# Altium PCB Copy of PCB1.PcbDoc (part 3 of 3)
Units mm, origin at the board's own origin, x right, y up, seen from the top; angles counter-clockwise.
Board outline 125 x 60 mm, 4 copper layers (Top Copper, Top Ref, Botton Ref, Bottom Copper), stack 1.586 mm thick; 166 components, 87 nets, 450 pads, 496 vias.
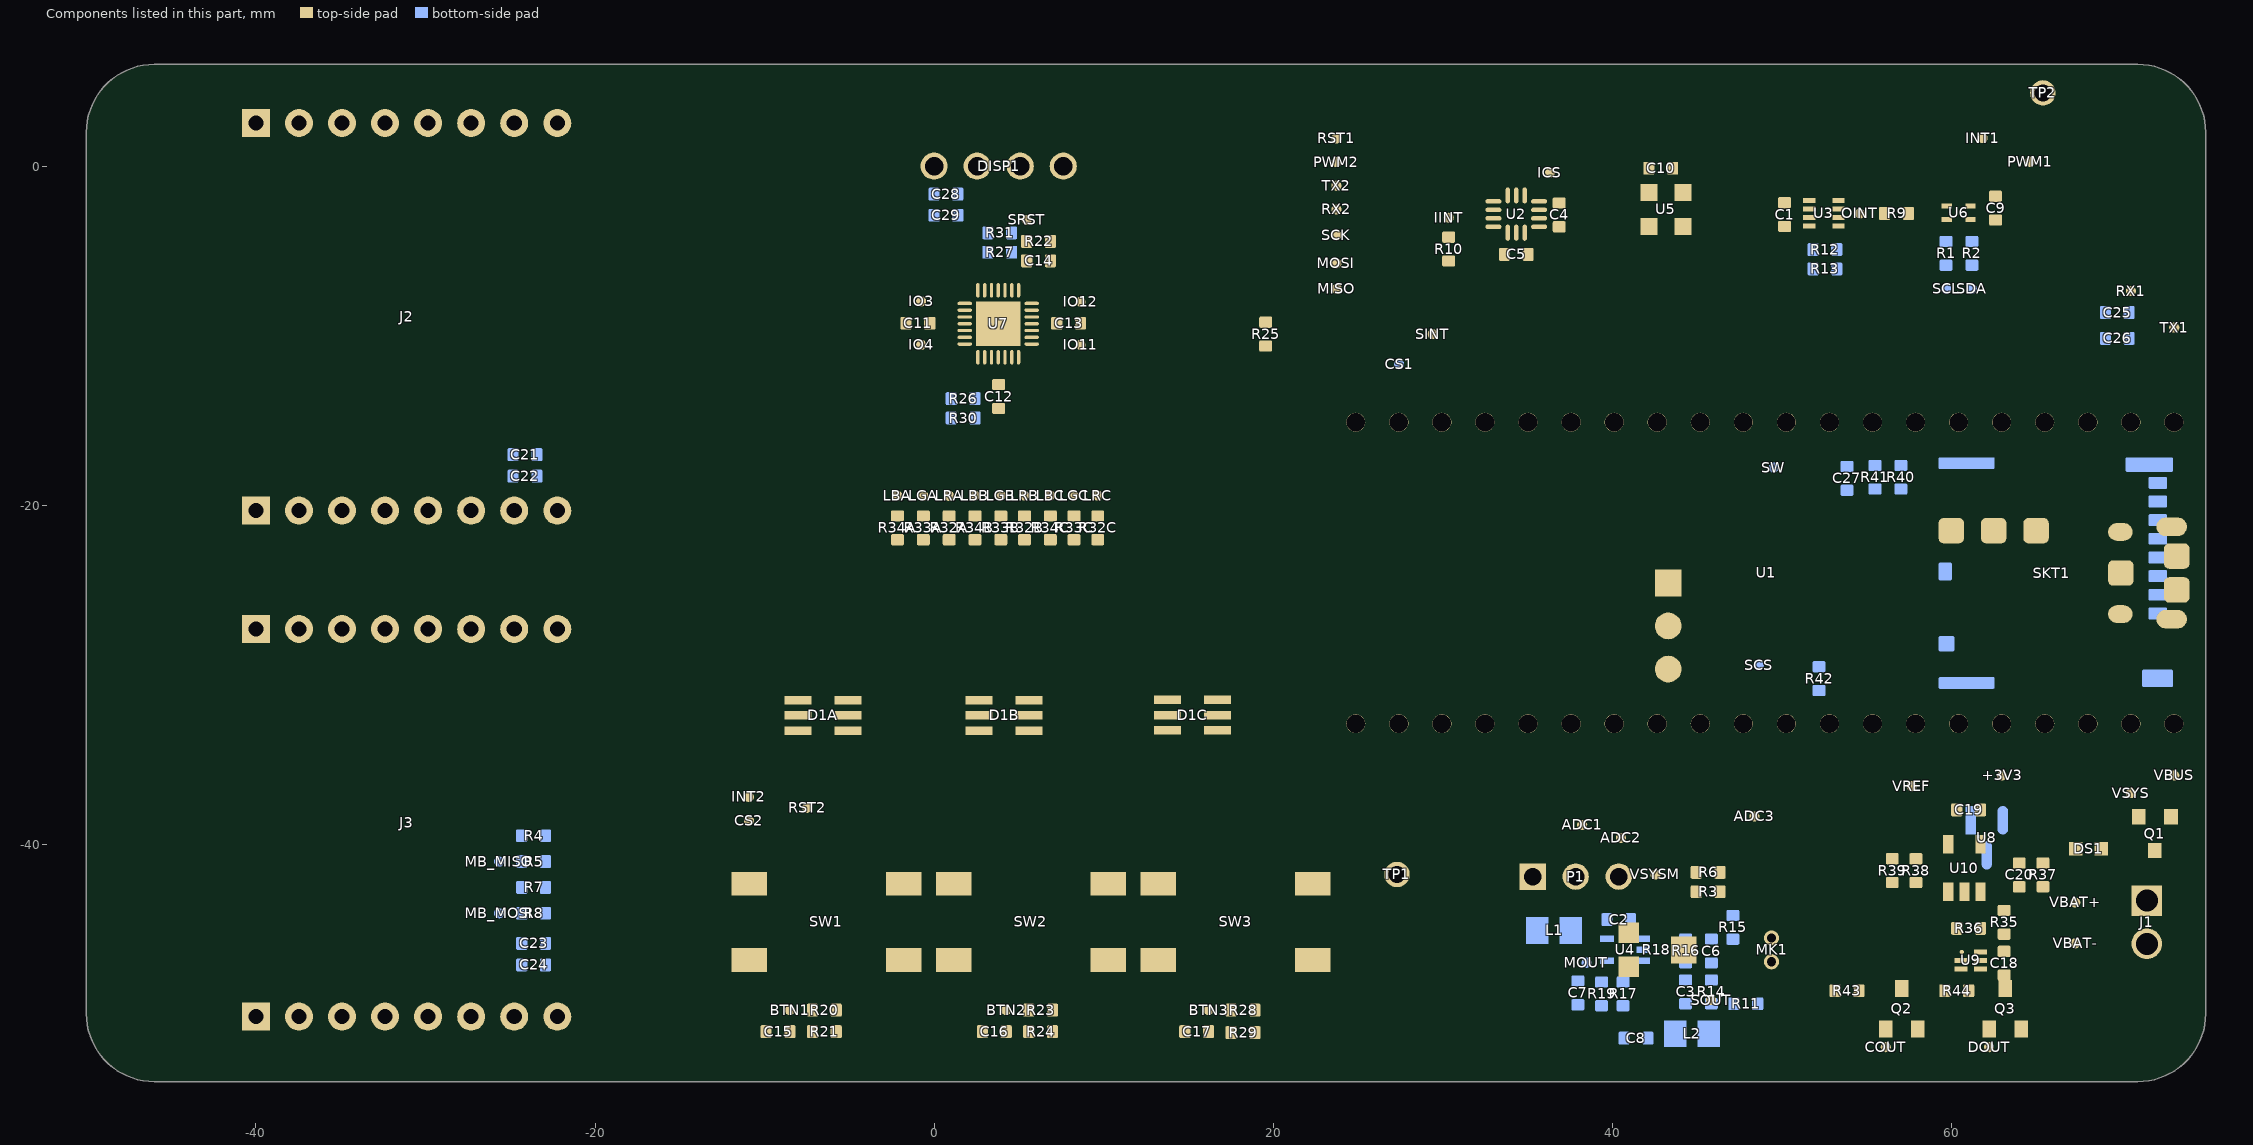
[diagram p5: the components of this part, seen from the top]

## Polygon pours and split planes (outlines as drawn) (continued)
GND on Botton Ref (split plane): 71,5.49 71.229,5.49 71.682,5.43 72.124,5.311 72.547,5.136 72.943,4.908 73.306,4.629 73.629,4.306 73.908,3.943 74.136,3.547 74.311,3.124 74.43,2.682 74.49,2.229 74.49,2 74.49,-49.25 74.49,-50 74.49,-50.229 74.43,-50.682 74.311,-51.124 74.136,-51.547 73.908,-51.943 73.629,-52.306 73.306,-52.629 72.943,-52.908 72.547,-53.136 72.124,-53.311 71.682,-53.43 71.229,-53.49 -46.229,-53.49 -46.682,-53.43 -47.124,-53.311 -47.547,-53.136 -47.943,-52.908 -48.306,-52.629 -48.629,-52.306 -48.908,-51.943 -49.136,-51.547 -49.311,-51.124 -49.43,-50.682 -49.49,-50.229 -49.49,-50 -49.49,2 -49.49,2.229 -49.43,2.682 -49.311,3.124 -49.136,3.547 -48.908,3.943 -48.629,4.306 -48.306,4.629 -47.943,4.908 -47.547,5.136 -47.124,5.311 -46.682,5.43 -46.229,5.49 -46,5.49
GND on Top Ref (split plane): 71,5.49 71.229,5.49 71.682,5.43 72.124,5.311 72.547,5.136 72.943,4.908 73.306,4.629 73.629,4.306 73.908,3.943 74.136,3.547 74.311,3.124 74.43,2.682 74.49,2.229 74.49,2 74.49,-49.25 74.49,-50 74.49,-50.229 74.43,-50.682 74.311,-51.124 74.136,-51.547 73.908,-51.943 73.629,-52.306 73.306,-52.629 72.943,-52.908 72.547,-53.136 72.124,-53.311 71.682,-53.43 71.229,-53.49 -46.229,-53.49 -46.682,-53.43 -47.124,-53.311 -47.547,-53.136 -47.943,-52.908 -48.306,-52.629 -48.629,-52.306 -48.908,-51.943 -49.136,-51.547 -49.311,-51.124 -49.43,-50.682 -49.49,-50.229 -49.49,-50 -49.49,2 -49.49,2.229 -49.43,2.682 -49.311,3.124 -49.136,3.547 -48.908,3.943 -48.629,4.306 -48.306,4.629 -47.943,4.908 -47.547,5.136 -47.124,5.311 -46.682,5.43 -46.229,5.49 -46,5.49

## Other copper
Top Copper:
  pour cut-out: 20.048,-12.022 20.005,-12.065 17.018,-12.065 17.018,-12.573 17.272,-12.827 17.399,-12.7 20.066,-12.7
  pour cut-out: -9.142,3.046 -9.142,3.631 -9.169,3.658 -9.144,3.683 -8.331,3.683 -8.331,3.327 -8.534,3.124
  pour cut-out: 20.726,-35.433 20.726,-35.966 20.853,-36.093 20.879,-36.068 21.463,-36.068 21.561,-35.97 21.561,-35.475
  pour cut-out: -21.468,-37.346 -21.412,-37.401 -21.412,-41.224 -21.184,-41.224 -20.447,-40.488 -20.447,-36.678
  pour cut-out: 24.872,-31.833 27.412,-31.833 27.39,-31.855 27.39,-35.585 25.044,-35.585 24.816,-35.357
  pour cut-out: 9.784,-8.695 9.745,-8.657 8.883,-8.657 8.768,-8.542 8.928,-8.382 9.525,-8.382
  pour cut-out: 23.184,1.59 23.165,1.609 23.165,2.362 23.444,2.362 23.47,2.337
  pour cut-out: 19.863,-7.483 19.288,-7.483 19.38,-7.391 19.38,-7.239 19.812,-7.239 19.941,-7.368
  pour cut-out: 13.434,-20.185 16.863,-20.185 16.863,-18.57 16.713,-18.72 13.335,-18.796
  pour cut-out: 52.435,-12.624 40.638,-12.624 40.437,-12.423 40.437,-11.557 52.502,-11.557 52.527,-11.582
  pour cut-out: 70.409,-38.79 70.38,-38.76 69.19,-38.76 69.19,-38.278 69.193,-38.282 69.937,-38.282
  pour cut-out: 65.108,-40.521 64.31,-40.521 64.649,-40.86 64.649,-41.128 64.747,-41.128 64.768,-41.149
  pour cut-out: 62.478,-38.729 62.478,-41.484 62.459,-41.504 62.382,-41.427 62.179,-41.427
  pour cut-out: 59.272,-42.005 59.272,-41.905 59.291,-41.886 59.182,-41.886
  pour cut-out: 49.526,-3.302 49.526,-2.663 49.606,-2.743 50.321,-2.743
  pour cut-out: 49.534,-2.654 49.622,-2.743 49.534,-2.654 49.526,-2.663 49.534,-2.654 49.526,-2.663
  pour cut-out: -19.126,-42.478 -19.135,-42.469 -19.583,-42.469 -19.583,-42.443 -18.948,-41.808 -18.898,-41.859 -18.517,-41.859
  pour cut-out: 36.957,-40.869 37.026,-40.937 37.026,-41.662 37.245,-41.662 38.037,-40.87
  pour cut-out: 37.929,-36.977 38.059,-36.977 38.217,-37.135 36.429,-38.924 36.212,-38.924 36.301,-39.013
Bottom Copper:
  pour cut-out: -23.31,-45.618 -23.266,-47.371 -23.31,-49.834 -23.8,-49.906 -24.323,-49.194 -24.281,-48.385 -23.887,-47.371 -23.974,-45.618
  pour cut-out: 40.354,-27.468 40.31,-27.424 40.31,-27.28 40.056,-27.28 39.726,-27.61 39.878,-27.762 39.878,-28.042
  pour cut-out: 61.706,-37.49 62.79,-37.49 62.823,-37.523 62.572,-37.774 62.572,-39.425 61.737,-39.425 61.706,-39.394
  pour cut-out: -23.715,-49.911 -23.063,-49.911 -23.063,-49.85 -23.204,-49.709 -23.243,-49.748 -23.759,-49.748

## Silkscreen, mask and mechanical layers (free items; w line width, h text height)
Top Overlay:
  drawing of 141 lines, arcs and shapes, not listed
  text "Sensors" at 45.331,4.03 h1.7
  text "Display OLED 0.96''" at -3.421,3.418 h1.7
  text "Motion" at 31.909,-9.41 h1.7
  text "Pressure" at 40.273,-9.41 h1.7
  text "Light" at 51.046,-9.41 h1.7
  text "T & H" at 60.07,-9.428 h1.7
  text "RGB LEDs" at 0.321,-26.959 h1.7
  text "Raspberry PI Pico W" at 25.658,-37.213 h1.7
  text "Push Buttons" at -0.343,-38.431 h1.7
  text "GND" at 25.781,-39.86 h1.5
  text "+" at 65.659,-44.107 h1.78
  text "-" at 65.786,-46.278 h1.78
  text "Mic." at 44.097,-52.579 h1.7
  text "PCEIOT Board .Version" at 23.705,-52.613 h1.7
Bottom Overlay:
  drawing of 102 lines, arcs and shapes, not listed
  text "R30" at 58.674,2.561 h1.78
  text "GND" at 64.135,2.561 h1.78
  text "SX15_ADDR1" at 53.848,1.838 h1.78
  text "R36" at 58.762,0.783 h1.78
  text "+3V3" at 64.223,0.783 h1.78
  text "R13" at 41.402,-5.186 h1.78
  text "GND" at 46.863,-5.186 h1.78
  text "OPT4001_ADDR" at 36.576,-5.909 h1.78
  text "GND" at -4.191,-5.948 h1.78
  text "R27" at -9.652,-5.969 h1.78
  text "SX15_ADDR0" at -14.478,-6.671 h1.78
  text "+3V3" at 46.951,-6.964 h1.78
  text "R12" at 41.402,-6.985 h1.78
  text "R31" at -9.652,-7.726 h1.78
  text "+3V3" at -4.103,-7.726 h1.78
  text "R30" at -9.652,-10.012 h1.78
  text "GND" at -4.191,-10.012 h1.78
  text "SX15_ADDR1" at -14.478,-10.735 h1.78
  text "R36" at -9.652,-11.79 h1.78
  text "+3V3" at -4.103,-11.79 h1.78
  text "Micro SD" at 56.86,-28.222 h1.7 r270
  text "SPIO_RX" at -20.193,-30.674 h1.78
  text "R4" at -28.829,-30.734 h1.78
  text "MB_MISO" at -32.766,-31.436 h1.78
  text "SPIO_TX" at -20.105,-32.452 h1.78
  text "R5" at -28.829,-32.491 h1.78
  text "SPIO_RX" at -20.193,-34.23 h1.78
  text "R7" at -28.829,-34.29 h1.78
  text "MB_MOSI" at -32.766,-34.992 h1.78
  text "SPIO_TX" at -20.105,-36.008 h1.78
  text "R8" at -28.829,-36.047 h1.78
  text "Mic." at 43.533,-38.761 h1.7
  text "PCEIOT Board .Version" at 9.597,-52.097 h1.7
Mechanical 1:
  lines w0.254: 75,-49.25 75,-50 cw(c71,-50) 71,-54 70.25,-54 -45.5,-54 -46,-54 cw(c-46,-50) -50,-50 -50,-49.5 -50,0.75 -50,2 cw(c-46,2) -46,6 -44.75,6 70.25,6 71,6 cw(c71,2) 75,2 ; 75,-49.25 75,-49.25 ; 75,-49.25 75,1.25 75,2 ; 75,2 75,2

## Text inside footprints (layer, text, board x,y; h text height)
DISP1: Top Overlay "CL" at 4.112,-2.169 h1.78; Top Overlay "VC" at 1.446,-2.169 h1.78; Top Overlay "GN" at -1.081,-2.169 h1.78; Top Overlay "DA" at 6.522,-2.169 h1.78
J2: Top Overlay "SDA" at -26.639,-3.11 h1.78 r90; Top Overlay "RST" at -36.799,-17.545 h1.78 r90; Top Overlay "CS" at -34.259,-17.545 h1.78 r90; Top Overlay "MISO" at -29.179,-17.545 h1.78 r90; Top Overlay "SCK" at -31.719,-17.545 h1.78 r90; Top Overlay "MOSI" at -26.639,-17.545 h1.78 r90; Top Overlay "+3.3V" at -24.099,-17.545 h1.78 r90; Top Overlay "GND" at -21.559,-17.545 h1.78 r90; Top Overlay "SCL" at -29.179,-2.877 h1.78 r90; Top Overlay "INT" at -36.799,-2.292 h1.78 r90; Top Overlay "RX" at -34.259,-1.983 h1.78 r90; Top Overlay "TX" at -31.719,-1.894 h1.78 r90; Top Overlay "GND" at -21.559,-3.27 h1.78 r90; Top Overlay "+5V" at -24.099,-2.686 h1.78 r90; Top Overlay "AN" at -39.339,-17.545 h1.78 r90; Top Overlay "PWM" at -39.339,-3.555 h1.78 r90
J3: Top Overlay "PWM" at -39.339,-33.4 h1.78 r90; Top Overlay "AN" at -39.339,-47.39 h1.78 r90; Top Overlay "+5V" at -24.099,-32.531 h1.78 r90; Top Overlay "GND" at -21.559,-33.115 h1.78 r90; Top Overlay "TX" at -31.719,-31.739 h1.78 r90; Top Overlay "RX" at -34.259,-31.828 h1.78 r90; Top Overlay "INT" at -36.799,-32.137 h1.78 r90; Top Overlay "SCL" at -29.179,-32.722 h1.78 r90; Top Overlay "GND" at -21.559,-47.39 h1.78 r90; Top Overlay "+3.3V" at -24.099,-47.39 h1.78 r90; Top Overlay "MOSI" at -26.639,-47.39 h1.78 r90; Top Overlay "SCK" at -31.719,-47.39 h1.78 r90; Top Overlay "MISO" at -29.179,-47.39 h1.78 r90; Top Overlay "CS" at -34.259,-47.39 h1.78 r90; Top Overlay "RST" at -36.799,-47.39 h1.78 r90; Top Overlay "SDA" at -26.639,-32.955 h1.78 r90
MK1: Top Overlay "-" at 48.641,-45.593 h1.78 r90; Top Overlay "+" at 48.768,-47.244 h1.78 r90